# Allegro board MK60_PACK_V30A.brd
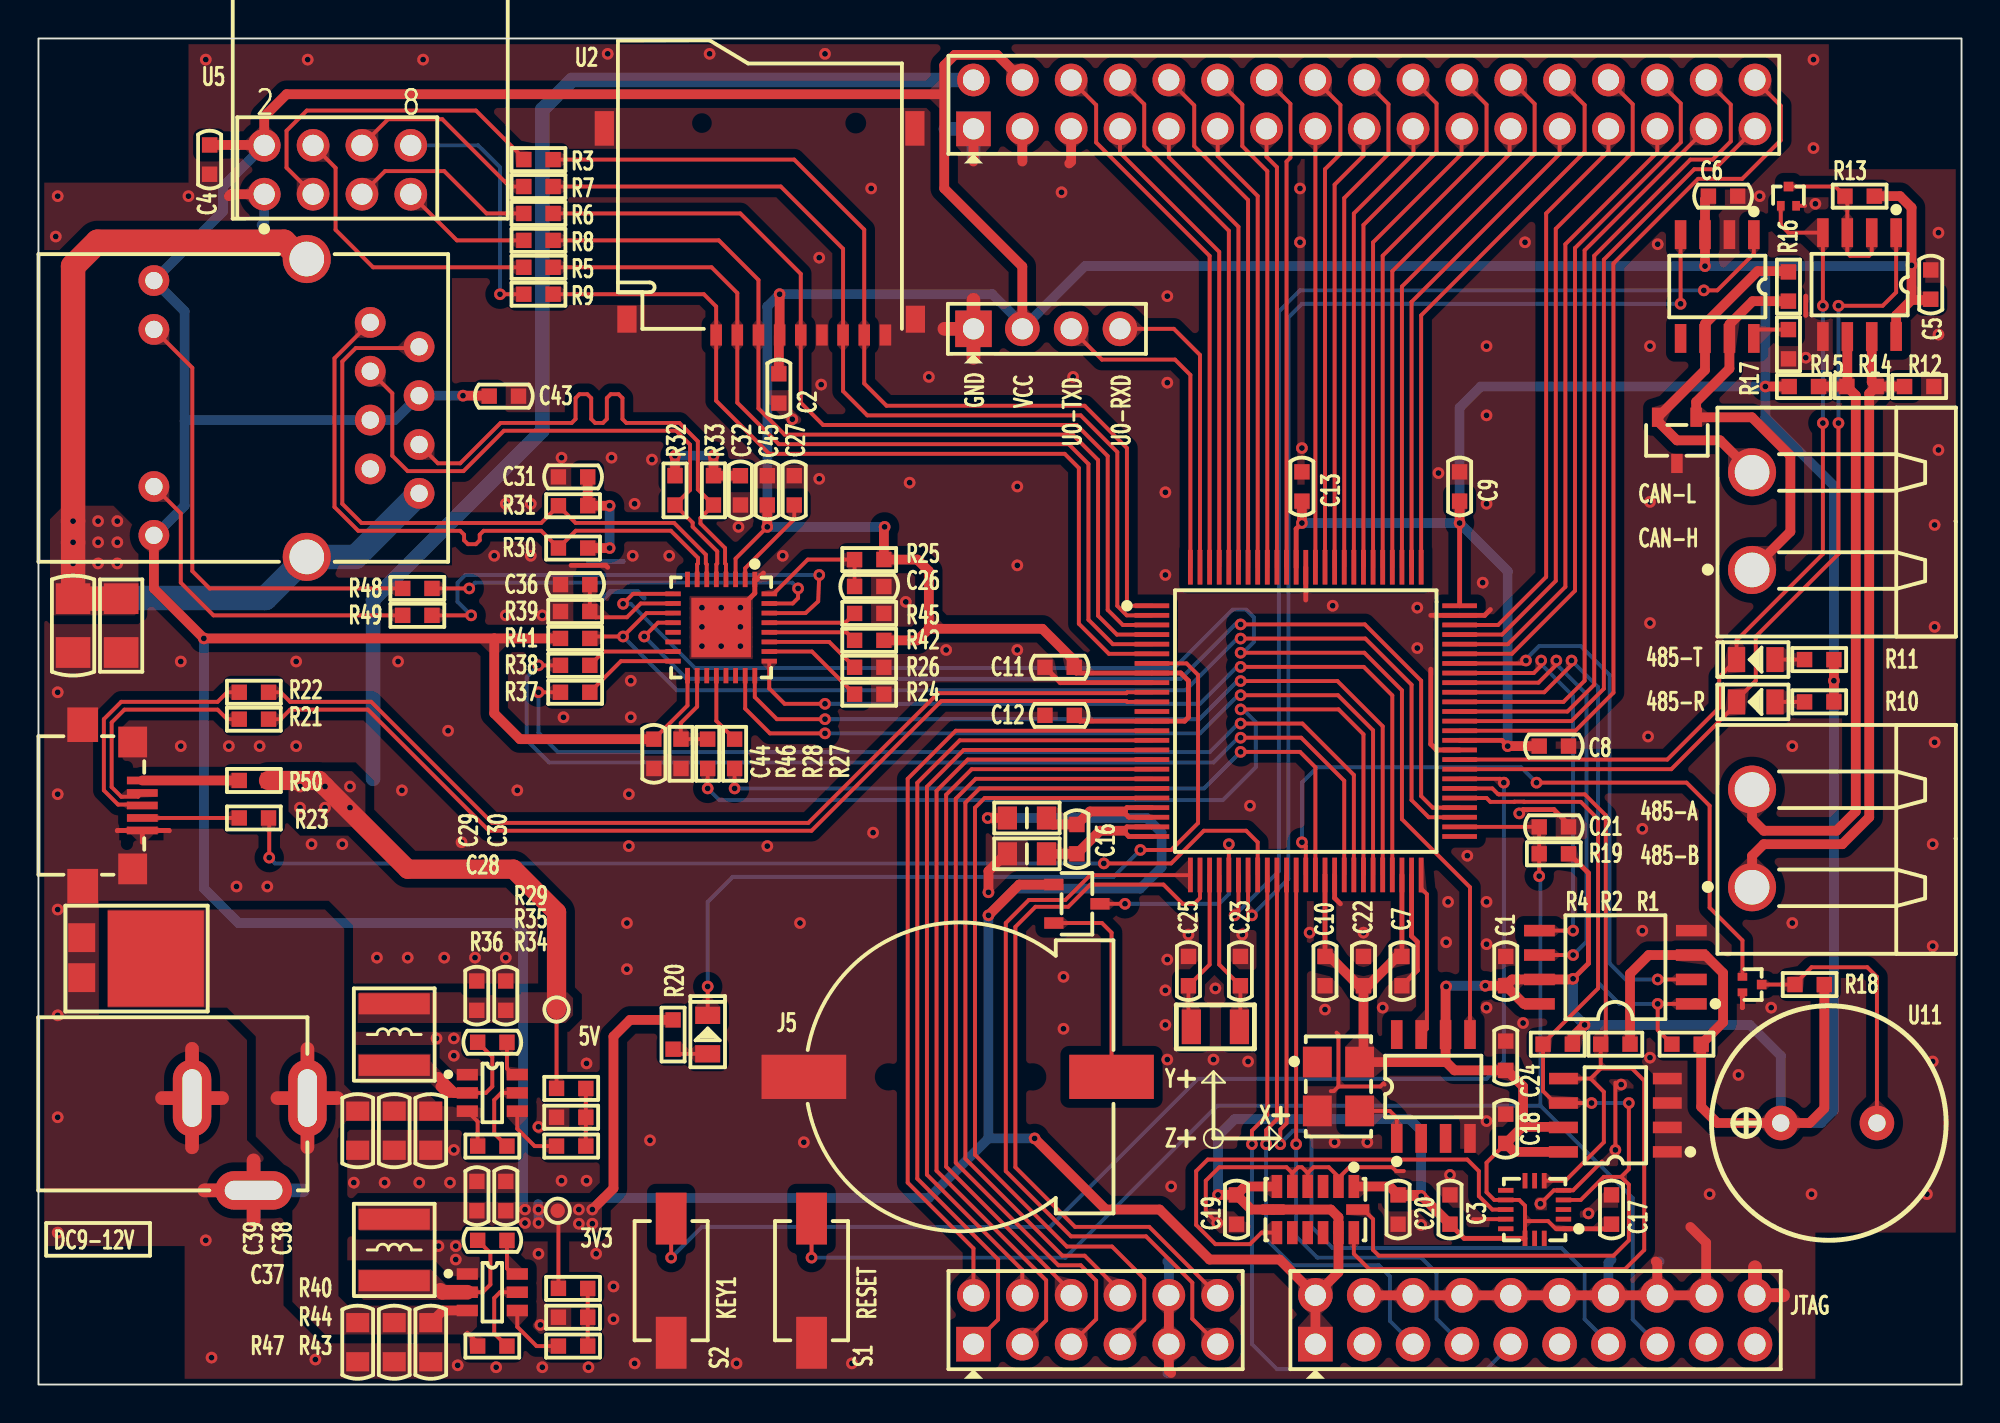
[diagram p0: board, top side]
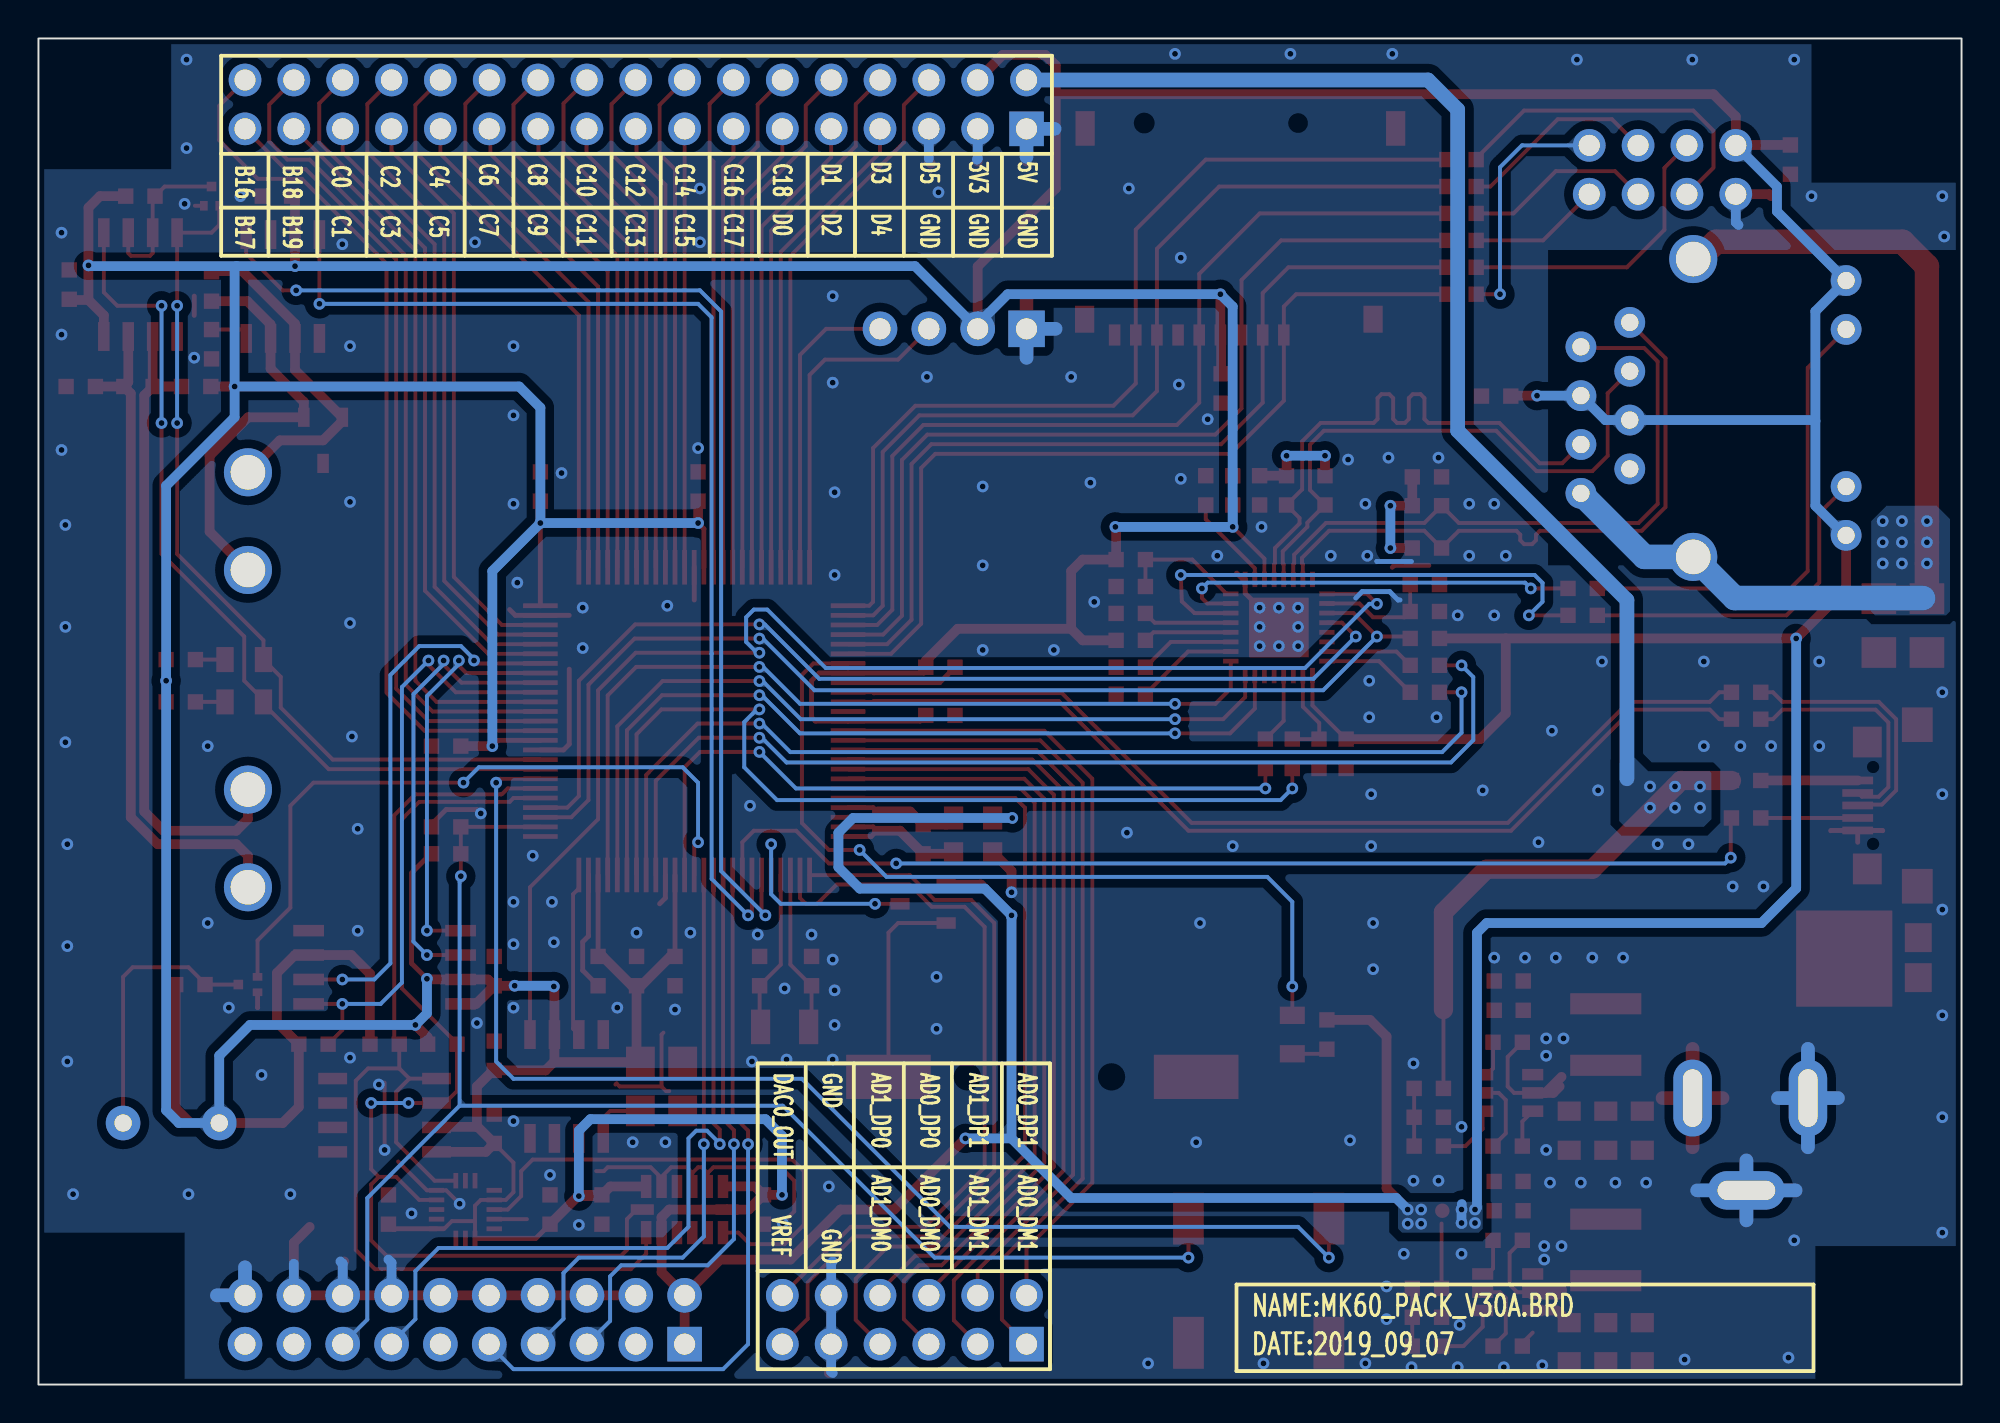
[diagram p1: board, bottom side, seen from below]

Outline 100 x 70 mm; copper layers: TOP, BOTTOM. Coordinates in mm from the lower left corner of the outline.
Outline path: rectangle 0,0 100,70

## Design rules (mm)
constraint set DEFAULT: min track width 0.203, pair gap 0.203
net group D: nets DN DP
net group RX: nets RXN RXP
net group TX: nets TXN TXP
net group USB0_D: nets USB0_DM USB0_DP

## Placement (name value [footprint] x y rotation side)
C1  0.1uF_25V  [C0603]  76.3 21.5 90 top
C2  0.1uF_25V  [C0603]  38.5 51.8 90 top
C3  0.1uF_25V  [C0603]  73.4 9.1 270 top
C4  0.1uF_25V  [C0603]  8.9 63.7 270 top
C5  0.1uF_25V  [C0603]  98.4 57.2 270 top
C6  0.1uF_25V  [C0603]  87.6 61.8 0 top
C7  0.1uF_25V  [C0603]  70.9 21.5 90 top
C8  0.1uF_25V  [C0603]  78.8 33.2 180 top
C9  0.1uF_25V  [C0603]  73.9 46.7 270 top
C10  0.1uF_25V  [C0603]  66.9 21.5 90 top
C11  0.1uF_25V  [C0603]  53.1 37.3 0 top
C12  0.1uF_25V  [C0603]  53.1 34.8 0 top
C13  0.1uF_25V  [C0603]  65.7 46.7 270 top
C16  0.1uF_25V  [C0603]  54 28.36 270 top
C17  0.1uF_25V  [C0603]  81.8 9.1 90 top
C18  0.1uF_25V  [C0603]  76.3 13.3 90 top
C19  0.1uF_25V  [C0603]  62.3 9.1 270 top
C20  0.1uF_25V  [C0603]  70.7 9.1 270 top
C21  0.1uF_25V  [C0603]  78.8 29 0 top
C22  0.1uF_25V  [C0603]  68.9 21.5 270 top
C23  12pF_25V  [C0603]  62.5 21.5 270 top
C24  0.1uF_25V  [C0603]  76.3 17.1 270 top
C25  12pF_25V  [C0603]  59.8 21.5 270 top
C26  0.1uF_25V  [C0603]  43.2 41.5 180 top
C27  0.1uF_25V  [C0603]  39.3 46.5 90 top
C28  0.1uF_25V  [C0603]  23.6 17.8 180 top
C29  10uF_16V  [C0603]  22.79 20.22 90 top
C30  10uF_16V  [C0603]  24.3 20.22 90 top
C31  0.1uF_25V  [C0603]  27.8 47.2 0 top
C32  0.1uF_25V  [C0603]  36.5 46.5 90 top
C33  10uF_25V  [C0805]  20.4 13.2 270 top
C34  10uF_25V  [C0805]  18.5 13.2 270 top
C35  10uF_25V  [C0805]  16.6 13.2 270 top
C36  0.1uF_25V  [C0603]  27.91 41.6 180 top
C37  0.1uF_25V  [C0603]  23.6 7.5 180 top
C38  10uF_16V  [C0603]  24.3 9.8 90 top
C39  10uF_16V  [C0603]  22.8 9.8 90 top
C40  10uF_25V  [C0805]  20.4 2.2 270 top
C41  10uF_25V  [C0805]  18.5 2.2 270 top
C42  10uF_25V  [C0805]  16.6 2.2 270 top
C43  0.1uF_25V  [C0603]  24.2 51.4 0 top
C44  0.1uF_25V  [C0603]  32 32.8 90 top
C45  0.1uF_25V  [C0603]  37.9 46.5 270 top
C46  1nF_2000V  [C1206]  1.8 39.47 90 top
D1  LED_RED  [LED0805]  89.3 35.5 180 top
D2  LED_GREEN  [LED0805]  89.3 37.7 180 top
D3  BAT54C  [SOT23-3]  54 25 270 top
D4  LED_GREEN  [LED0805]  34.8 18.2 90 top
D5  V10P10  [TO-227A]  6.1 22.2 270 top
DC1  -  [DC005]  7.99 14.9 0 top
J1  -  [CN2X6-2P54-Z]  48.62 2.1 0 top
J2  -  [CN2X17-2P54-Z]  48.62 65.3 0 top
J3  -  [WJ2EDGRC-5R08-2P]  89.11 28.4 90 top
J4  -  [WJ2EDGRC-5R08-2P]  89.11 44.9 90 top
J5  CR1220  [CR1220HOLDER-SMD]  47.8 16 90 top
J6  CN1X4-2P54-Z/NI  [CN1X4-2P54-Z]  48.62 54.9 0 top
J7  -  [CN2X10-2P54-Z]  66.4 2.1 0 top
J8  -  [HR911105A]  10.9 50.78 180 top
L1  BLM21PG600  [L0805]  51.4 29.46 0 top
L2  BLM21PG600  [L0805]  51.4 27.6 0 top
L3  SWPA4020S4R7MT  [L4020]  18.5 18.2 90 top
L4  SWPA4020S4R7MT  [L4020]  18.5 7 90 top
NOREF  -  []  0 0 0 top
NOREF#2  -  []  0 0 90 top
Q1  DTC043ZMT2L  [SOT723]  91 61.8 0 top
Q2  DTC043ZMT2L  [SOT723]  89.11 20.8 270 top
R1  10K  [R0603]  85.7 17.7 180 top
R2  4.7K  [R0603]  82 17.7 0 top
R3  0R  [R0603]  26 63.7 0 top
R4  4.7K  [R0603]  79 17.7 0 top
R5  0R  [R0603]  26 58.1 0 top
R6  0R  [R0603]  26 60.9 0 top
R7  0R  [R0603]  26 62.3 0 top
R8  0R  [R0603]  26 59.5 0 top
R9  0R  [R0603]  26 56.7 0 top
R10  10K  [R0603]  92.6 35.5 0 top
R11  10K  [R0603]  92.6 37.7 0 top
R12  10K  [R0603]  97.8 51.9 180 top
R13  10K  [R0603]  94.7 61.8 180 top
R14  120R/NI  [R0603]  94.8 51.9 0 top
R15  10K  [R0603]  91.8 51.9 180 top
R16  120R  [R0603]  91 57.1 270 top
R17  10K  [R0603]  91 54.1 90 top
R18  1K  [R0603]  92.1 20.8 180 top
R19  10K  [R0603]  78.8 27.6 0 top
R20  10K  [R0603]  33 18.2 90 top
R21  10R  [R0603]  11.2 34.6 0 top
R22  10R  [R0603]  11.2 36 0 top
R23  10R  [R0603]  11.2 29.46 0 top
R24  4.7K  [R0603]  43.2 35.9 180 top
R25  10K  [R0603]  43.2 42.9 180 top
R26  4.7K  [R0603]  43.2 37.3 180 top
R27  10R  [R0603]  36.2 32.8 90 top
R28  10R  [R0603]  34.8 32.8 90 top
R29  40.2K  [R0603]  27.7 15.4 0 top
R30  49.9R  [R0603]  27.8 43.5 0 top
R31  49.9R  [R0603]  27.8 45.7 0 top
R32  49.9R  [R0603]  33.1 46.5 90 top
R33  49.9R  [R0603]  35.1 46.5 90 top
R34  10K  [R0603]  27.7 12.4 0 top
R35  7.68K  [R0603]  27.7 13.9 180 top
R36  100K  [R0603]  23.6 12.4 0 top
R37  10R  [R0603]  27.91 36 0 top
R38  10R  [R0603]  27.91 37.4 0 top
R39  6.49K  [R0603]  27.91 40.2 180 top
R40  40.2K  [R0603]  27.8 5 0 top
R41  4.7K  [R0603]  27.91 38.8 0 top
R42  4.7K  [R0603]  43.2 38.7 0 top
R43  10K  [R0603]  27.8 2 0 top
R44  13K  [R0603]  27.8 3.5 180 top
R45  4.7K  [R0603]  43.2 40.1 0 top
R46  4.7K  [R0603]  33.41 32.8 270 top
R47  100K  [R0603]  23.6 2 0 top
R48  510R  [R0603]  19.7 41.4 180 top
R49  510R  [R0603]  19.7 40 180 top
R50  0R/NI  [R0603]  11.2 31.41 0 top
R51  10M  [R1206]  4.3 39.47 270 top
S1  KEY  [KEY-2P-SMD-6R2X3R8X2R5]  40.2 5.4 270 top
S2  KEY  [KEY-2P-SMD-6R2X3R8X2R5]  32.9 5.4 90 top
TP1  TestPoint/NI  [TP-0R75]  26.94 19.5 0 top
TP2  TestPoint/NI  [TP-0R75]  27 9.04 0 top
U1  MK60DN512VLL10  [LQFP100-14X14X0R5]  65.9 34.5 270 top
U2  THD2528-11SD-GF  [TFCARD]  37.5 54.9 180 top
U3  W25Q16JVSNIQ  [SOIC8_208]  82 21.7 90 top
U4  AT24C02D-SSHM-T  [SOIC8]  82 14 90 top
U5  -  [NRF24L01PACK]  17.2 73 0 top
U6  SP3485EN-L/TR  [SOIC8]  94.7 57.2 180 top
U7  SN65HVD230DR  [SOIC8]  87.3 57.1 180 top
U8  PESD1CAN  [SOT23-3]  85.2 49.1 180 top
U9  ADXL345BCCZ-RL7  [LGA14-5R0X3R0]  66.4 9.1 270 top
U10  LIS3DHTR  [LGA16-3R0X3R0]  77.8 9.1 90 top
U11  -  [PS1240P02BT]  93.1 13.6 0 top
U12  CY2305SXI-1HT  [SOIC8]  72.53 15.5 0 top
U13  KSZ8041NLI  [QFN32-5X5X0R5-3R1X3R1]  35.5 39.37 180 top
U14  BL8032CB6TR  [SOT23-6]  23.6 15.17 270 top
U15  BL8032CB6TR  [SOT23-6]  23.6 4.8 270 top
USB1  U-F-M5SS-W-1  [USB-U-F-M5SS-W-1]  2.3 30.11 270 top
X1  Q13FC1350000400  [X-2P-3R2X1R5-SMD]  61.2 18.6 180 top
X2  SG5032CAN-50M-TJGA  [X-4P-5R0X3R2-SMD]  67.6 15.5 270 top

## Library data of the parts
C1 C3 C7-C13 C16 C22 C24 = CAP NP_3
C2 C4 C21 C26 C27 C31 C32 C36 C43-C46 = CAP NP_2
C5 C6 C17-C20 C23 C25 C28-C30 C33-C35 C37-C42 = CAP NP
D1 D2 D4 = LED_4
D3 = BAT54C
D5 = DIODE13_6
DC1 = DC005
J1 = CONN RCPT 6X2
J2 = CONN RECT 17x2
J3 J4 = CONN RCPT 2
J5 = BATTERY
J6 = CONN RCPT 4
J7 = CON20_0
J8 = CON_RJ45_1X8_F_RA_0
L1 L2 = IND_BEAD_0805_600OHM_1
L3 L4 = INDUCTOR_0
Q1 Q2 = DTC043ZMT2L
R1-R51 = R_Generic
S1 S2 = SW PUSHBUTTON_0
TP1 TP2 = TestPoint
U1 = MK60DN512VLL10_6
U2 = TFCARD_1
U3 = CEIT_C5000_0
U4 = MB85RC64PNF-G-JNERE1
U5 = NRF24L01PACK
U6 = MAX3485ESA
U7 = TJA1050
U8 = PESD1CAN
U9 = ADXL345_0
U10 = LIS3DHTR
U11 = PS1240P02BT
U12 = CY2305C_0
U13 = KSZ8041NL
U14 U15 = BL8032CB6TR
USB1 = USB-MICRO
X1 = XTAL_5032_0
X2 = SMD_OSC_3

## Footprints (pads in the part's own frame, mm; a bottom-side part is the same pattern mirrored in y, then rotated)
C0603
  rect 0.8x0.8 smd: 1(-0.762,0) 2(0.762,0)
C0805
  rect 1x1.2 smd: 1(-1.016,0) 2(1.016,0)
C1206
  rect 1.6x1.8 smd: 1(-1.4,0) 2(1.4,0)
CN1X4-2P54-Z
  rect 1.9x1.9 hole 1.1: 1(0,0)
  round 1.8 hole 1.1: 2(2.54,0) 3(5.08,0) 4(7.62,0)
CN2X6-2P54-Z
  rect 1.8x1.8 hole 1.1: 1(0,0)
  round 1.7 hole 1.1: 2(0,2.54) 3(2.54,0) 4(2.54,2.54) 5(5.08,0) 6(5.08,2.54) 7(7.62,0) 8(7.62,2.54) 9(10.16,0) 10(10.16,2.54) 11(12.7,0) 12(12.7,2.54)
CN2X10-2P54-Z
  rect 1.8x1.8 hole 1.1: 1(0,0)
  round 1.8 hole 1.1: 2(0,2.54) 3(2.54,0) 4(2.54,2.54) 5(5.08,0) 6(5.08,2.54) 7(7.62,0) 8(7.62,2.54) 9(10.16,0) 10(10.16,2.54) 11(12.7,0) 12(12.7,2.54) 13(15.24,0) 14(15.24,2.54) 15(17.78,0) 16(17.78,2.54) 17(20.32,0) 18(20.32,2.54) 19(22.86,0) 20(22.86,2.54)
CN2X17-2P54-Z
  rect 1.8x1.8 hole 1.1: 1(0,0)
  round 1.7 hole 1.1: 2(0,2.54) 3(2.54,0) 4(2.54,2.54) 5(5.08,0) 6(5.08,2.54) 7(7.62,0) 8(7.62,2.54) 9(10.16,0) 10(10.16,2.54) 11(12.7,0) 12(12.7,2.54) 13(15.24,0) 14(15.24,2.54) 15(17.78,0) 16(17.78,2.54) 17(20.32,0) 18(20.32,2.54) 19(22.86,0) 20(22.86,2.54) 21(25.4,0) 22(25.4,2.54) 23(27.94,0) 24(27.94,2.54) 25(30.48,0) 26(30.48,2.54) 27(33.02,0) 28(33.02,2.54) 29(35.56,0) 30(35.56,2.54) 31(38.1,0) 32(38.1,2.54) 33(40.64,0) 34(40.64,2.54)
CR1220HOLDER-SMD
  rect 2.3x4.4 smd: 1(0,-8) 2(0,8)
DC005
  oval 2x4 hole 1x3: 1(6,0) 2(0,0)
  oval 4x2 hole 3x1: 3(3.2,-4.8)
HR911105A
  round 1.6 hole 0.9: 1(-6.35,-4.45) 2(-8.89,-3.18) 3(-6.35,-1.91) 4(-8.89,-0.64) 5(-6.35,0.63) 6(-8.89,1.9) 7(-6.35,3.17) 8(-8.89,4.44) 9(4.9,-6.625) 10(4.9,-4.085) 11(4.9,4.085) 12(4.9,6.625)
  round 2.5 hole 1.8: 13(-3.05,-7.745) 14(-3.05,7.745)
KEY-2P-SMD-6R2X3R8X2R5
  rect 2.7x1.6 smd: 1(-3.23,0) 2(3.23,0)
L0805
  rect 1x1.2 smd: 1(-1.016,0) 2(1.016,0)
L4020
  rect 1.1x3.7 smd: 1(-1.6,0) 2(1.6,0)
LED0805
  rect 0.9x1.3 smd: 1(-1,0) 2(1,0)
LGA14-5R0X3R0
  rect 1.2x0.55 smd: 1(-1.2,2) 2(-1.2,1.2) 3(-1.2,0.4) 4(-1.2,-0.4) 5(-1.2,-1.2) 6(-1.2,-2) 8(1.2,-2) 9(1.2,-1.2) 10(1.2,-0.4) 11(1.2,0.4) 12(1.2,1.2) 13(1.2,2)
  rect 0.55x1.2 smd: 7(0,-2.2) 14(0,2.2)
LGA16-3R0X3R0
  rect 0.25x0.8 smd: 1(-1,-1.5) 2(-0.5,-1.5) 3(0,-1.5) 4(0.5,-1.5) 5(1,-1.5) 9(1,1.5) 10(0.5,1.5) 11(0,1.5) 12(-0.5,1.5) 13(-1,1.5)
  rect 0.8x0.25 smd: 6(1.5,-0.5) 7(1.5,0) 8(1.5,0.5) 14(-1.5,0.5) 15(-1.5,0) 16(-1.5,-0.5)
LQFP100-14X14X0R5
  rect 0.25x1.8 smd: 1(-6,-8) 2(-5.5,-8) 3(-5,-8) 4(-4.5,-8) 5(-4,-8) 6(-3.5,-8) 7(-3,-8) 8(-2.5,-8) 9(-2,-8) 10(-1.5,-8) 11(-1,-8) 12(-0.5,-8) 13(0,-8) 14(0.5,-8) 15(1,-8) 16(1.5,-8) 17(2,-8) 18(2.5,-8) 19(3,-8) 20(3.5,-8) 21(4,-8) 22(4.5,-8) 23(5,-8) 24(5.5,-8) 25(6,-8) 51(6,8) 52(5.5,8) 53(5,8) 54(4.5,8) 55(4,8) 56(3.5,8) 57(3,8) 58(2.5,8) 59(2,8) 60(1.5,8) 61(1,8) 62(0.5,8) 63(0,8) 64(-0.5,8) 65(-1,8) 66(-1.5,8) 67(-2,8) 68(-2.5,8) 69(-3,8) 70(-3.5,8) 71(-4,8) 72(-4.5,8) 73(-5,8) 74(-5.5,8) 75(-6,8)
  rect 1.8x0.25 smd: 26(8,-6) 27(8,-5.5) 28(8,-5) 29(8,-4.5) 30(8,-4) 31(8,-3.5) 32(8,-3) 33(8,-2.5) 34(8,-2) 35(8,-1.5) 36(8,-1) 37(8,-0.5) 38(8,0) 39(8,0.5) 40(8,1) 41(8,1.5) 42(8,2) 43(8,2.5) 44(8,3) 45(8,3.5) 46(8,4) 47(8,4.5) 48(8,5) 49(8,5.5) 50(8,6) 76(-8,6) 77(-8,5.5) 78(-8,5) 79(-8,4.5) 80(-8,4) 81(-8,3.5) 82(-8,3) 83(-8,2.5) 84(-8,2) 85(-8,1.5) 86(-8,1) 87(-8,0.5) 88(-8,0) 89(-8,-0.5) 90(-8,-1) 91(-8,-1.5) 92(-8,-2) 93(-8,-2.5) 94(-8,-3) 95(-8,-3.5) 96(-8,-4) 97(-8,-4.5) 98(-8,-5) 99(-8,-5.5) 100(-8,-6)
NRF24L01PACK
  round 1.7 hole 1.1: 1(-5.46,-11.1) 2(-5.46,-8.56) 3(-2.92,-11.1) 4(-2.92,-8.56) 5(-0.38,-11.1) 6(-0.38,-8.56) 7(2.16,-11.1) 8(2.16,-8.56)
PS1240P02BT
  round 1.8 hole 0.9: 1(-2.5,0) 2(2.5,0)
QFN32-5X5X0R5-3R1X3R1
  rect 0.25x0.8 smd: 1(-1.75,-2.5) 2(-1.25,-2.5) 3(-0.75,-2.5) 4(-0.25,-2.5) 5(0.25,-2.5) 6(0.75,-2.5) 7(1.25,-2.5) 8(1.75,-2.5) 17(1.75,2.5) 18(1.25,2.5) 19(0.75,2.5) 20(0.25,2.5) 21(-0.25,2.5) 22(-0.75,2.5) 23(-1.25,2.5) 24(-1.75,2.5)
  rect 0.8x0.25 smd: 9(2.5,-1.75) 10(2.5,-1.25) 11(2.5,-0.75) 12(2.5,-0.25) 13(2.5,0.25) 14(2.5,0.75) 15(2.5,1.25) 16(2.5,1.75) 25(-2.5,1.75) 26(-2.5,1.25) 27(-2.5,0.75) 28(-2.5,0.25) 29(-2.5,-0.25) 30(-2.5,-0.75) 31(-2.5,-1.25) 32(-2.5,-1.75)
  rect 3.1x3.1 smd: 33(0,0)
R0603
  rect 0.8x0.8 smd: 1(-0.762,0) 2(0.762,0)
R1206
  rect 1.6x1.8 smd: 1(-1.4,0) 2(1.4,0)
SOIC8
  rect 0.6x1.5 smd: 1(-1.9,-2.7) 2(-0.63,-2.7) 3(0.64,-2.7) 4(1.91,-2.7) 5(1.91,2.7) 6(0.64,2.7) 7(-0.63,2.7) 8(-1.9,2.7)
SOIC8_208
  rect 0.6x1.6 smd: 1(-1.905,-3.95) 2(-0.635,-3.95) 3(0.635,-3.95) 4(1.905,-3.95) 5(1.905,3.95) 6(0.635,3.95) 7(-0.635,3.95) 8(-1.905,3.95)
SOT23-3
  rect 0.6x1 smd: 1(-1,-1.2) 2(1,-1.2) 3(0,1.2)
SOT23-6
  rect 0.6x1.1 smd: 1(-0.95,-1.3) 2(0,-1.3) 3(0.95,-1.3) 4(0.95,1.3) 5(0,1.3) 6(-0.95,1.3)
SOT723
  rect 0.4x0.5 smd: 1(-0.4,-0.5) 2(0.4,-0.5)
  rect 0.5x0.5 smd: 3(0,0.5)
TFCARD
  rect 0.6x1.1 smd: 1(2.26,0.32) 2(1.16,0.32) 3(0.06,0.32) 4(-1.04,0.32) 5(-2.14,0.32) 6(-3.24,0.32) 7(-4.34,0.32) 8(-5.44,0.32) 9(-6.54,0.32)
  rect 1x1.4 smd: 10(-8.1,-0.5) 13(6.9,-0.5)
  rect 1x1.8 smd: 11(-8.074,-10.422) 12(8.074,-10.422)
TO-227A
  rect 1.5x1.4 smd: 1(1.04,-3.85) 2(-1.04,-3.85)
  rect 5x5 smd: 3(0.05,0)
TP-0R75
  round 0.75 smd: 1(0,0)
USB-U-F-M5SS-W-1
  rect 0.4x1.6 smd: 1(-1.3,3.1) 2(-0.65,3.1) 3(0,3.1) 4(0.65,3.1) 5(1.3,3.1)
  rect 1.6x1.5 smd: 6(-3.3,2.6) 7(3.3,2.6)
  rect 1.8x1.6 smd: 8(-4.2,0) 9(4.2,0)
WJ2EDGRC-5R08-2P
  round 2.5 hole 1.8: 1(-2.54,0) 2(2.54,0)
X-2P-3R2X1R5-SMD
  rect 1x1.8 smd: 1(-1.25,0) 2(1.25,0)
X-4P-5R0X3R2-SMD
  rect 1.6x1.5 smd: 1(-1.27,-1.1) 2(1.27,-1.1) 3(1.27,1.1) 4(-1.27,1.1)

## Nets
GND: C1.2 C2.1 C3.1 C4.2 C5.1 C6.2 C7.1 C8.1 C9.1 C10.1 C11.1 C12.1 C13.1 C17.2 C18.2 C19.2 C20.2 C21.2 C22.1 C23.1 C24.1 C25.1 C26.1 C27.2 C29.2 C30.2 C31.1 C32.1 C33.2 C34.2 C35.2 C36.2 C38.2 C39.2 C40.2 C41.2 C42.2 C43.2 C44.1 C45.1 C46.1 D5.1 D5.2 DC1.2 DC1.3 J1.9 J1.10 J2.1 J2.3 J2.5 J5.2 J6.1 J7.4 J7.6 J7.8 J7.10 J7.12 J7.14 J7.16 J7.18 J7.20 L2.1 Q1.2 Q2.2 R12.1 R17.1 R24.1 R26.1 R35.2 R39.2 R44.2 R45.2 R46.2 R51.2 S1.2 S2.1 U1.9 U1.41 U1.49 U1.60 U1.74 U1.88 U2.6 U2.9 U2.10 U2.11 U2.12 U2.13 U3.4 U4.1 U4.2 U4.3 U4.4 U5.1 U6.5 U7.2 U8.3 U9.2 U9.4 U9.5 U10.5 U10.12 U12.4 U13.1 U13.33 U14.1 U15.1 USB1.5 USB1.6 USB1.7 USB1.8 USB1.9 X2.2
GND_EARTH: C46.2 J8.8 J8.13 J8.14 R51.1
VBAT: D3.3 U1.30
VCC_3.3V: C1.1 C2.2 C3.2 C4.1 C5.2 C6.1 C7.2 C8.2 C9.2 C10.2 C11.2 C12.2 C13.2 C17.1 C18.1 C19.1 C20.1 C22.2 C24.2 C38.1 C39.1 C43.1 C44.2 C45.2 D3.1 J2.4 J6.2 J7.1 J7.2 J8.4 J8.5 J8.9 J8.12 L1.1 L4.2 R1.1 R2.2 R4.2 R10.2 R11.2 R13.1 R15.2 R18.1 R19.2 R20.2 R25.1 R40.1 R41.1 R42.2 TP2.1 U1.8 U1.13 U1.40 U1.48 U1.61 U1.75 U1.89 U2.4(VCC) U3.3(W\P\) U3.7 U3.8 U4.7(WP) U4.8 U5.2(VCC) U6.8(VCC) U7.3 U9.1 U9.6(VSS) U9.7 U9.12 U10.1(VDD_IO) U10.10 U10.14 U11.1 U12.6(VDD) U13.3 U13.17 X2.4(VCC)
VCC_5V: C29.1 C30.1 J2.2 L3.2 R29.1 R50.2 TP1.1
VCC_12V: C33.1 C34.1 C35.1 C40.1 C41.1 C42.1 D5.3(CATHODE) DC1.1 R36.1 R47.1 U14.3(VIN) U15.3(VIN)
VDDA3V3: C16.1 L1.2(B) U1.22 U1.23
VSSA: C16.2 L2.2(B) U1.24 U1.25
485_R: D1.2(CATHODE) U1.58 U6.1
485_T: D2.2(CATHODE) Q1.1 U1.59 U6.4
AD0_DM1: J1.1 U1.15
AD0_DP1: J1.2 U1.14
AD1_DM1: J1.3 U1.17
AD1_DP1: J1.4 U1.16
ADC0_DM0: J1.5 U1.19
ADC0_DP0: J1.6(9) U1.18
ADC1_DM0: J1.7 U1.21
ADC1_DP0: J1.8 U1.20
ADXL_INT: U9.8 U10.11
BUZZER: Q2.1 U1.38
CAN1_RX: U1.32 U7.4
CAN1_TX: U1.31 U7.1
CAN_H: J4.1 R16.2 U7.7 U8.1
CAN_L: J4.2 R16.1 U7.6 U8.2
CE: R3.1 U5.3
CLK_50M_MK60: U1.50 U12.7
CONFIG0: R42.1 U13.28
CONFIG1: R45.1 U13.29
CONFIG2: R28.2 R46.1 U13.18
DAC0_OUT: J1.12 U1.27
DN: R21.1 USB1.2
DP: R22.1 USB1.3
EXTAL32: C23.2 U1.29 X1.1
I2C_SCL: R4.1 U1.55 U4.6 U9.14 U10.4
I2C_SDA: R2.1 U1.56 U4.5 U9.13 U10.6
JTAG_TCLK: J7.9 U1.34
JTAG_TDI: J7.5 U1.35
JTAG_TDO: J7.13 U1.36
JTAG_TMS: J7.7 U1.37
KEY1: S2.2 U1.57
LED0/NWAYEN: R49.1 U13.30
LED1: D4.2(CATHODE) U1.7
LED1/SPEED: R48.1 U13.31
NRF_IRQ: R9.1 U5.8
PHY_CLK: U12.5 U13.9
PTB16: J2.34 U1.62
PTB17: J2.33 U1.63
PTB18: J2.32 U1.64
PTB19: J2.31 U1.65
PTC0: J2.30 U1.70
PTC1: J2.29 U1.71
PTC2: J2.28 U1.72
PTC3: J2.27 U1.73
PTC4: J2.26 U1.76
PTC5: J2.25 U1.77
PTC6: J2.24 U1.78
PTC7: J2.23 U1.79
PTC8: J2.22 U1.80
PTC9: J2.21 U1.81
PTC10: J2.20 U1.82
PTC11: J2.19 U1.83
PTC12: J2.18 U1.84
PTC13: J2.17 U1.85
PTC14: J2.16 U1.86
PTC15: J2.15 U1.87
PTC16: J2.14 U1.90
PTC17: J2.13 U1.91
PTC18: J2.12 U1.92
PTD0: J2.11 U1.93
PTD1: J2.10 U1.94
PTD2: J2.9 U1.95
PTD3: J2.8 U1.96
PTD4: J2.7 U1.97
PTD5: J2.6 U1.98
RMII0_CRS_DV: R28.1 U1.44
RMII0_MDC: U1.54 U13.12
RMII0_MDIO: R41.2 U1.53 U13.11
RMII0_RXD0: R37.1 U1.43
RMII0_RXD1: R38.1 U1.42
RMII0_RXER: R27.1 U1.39
RMII0_TXD0: U1.46 U13.24
RMII0_TXD1: U1.47 U13.25
RMII0_TXEN: U1.45 U13.23
RS485_A: J3.2 R14.1 R15.1 U6.6
RS485_B: J3.1 R12.2 R14.2 U6.7
RXN: J8.6 R33.1 U13.4
RXP: J8.3 R32.1 U13.5
SDHC0_CMD: R8.2 U1.4 U2.3
SDHC0_D0: R7.2 U1.2 U2.7
SDHC0_D1: R3.2 U1.1 U2.8
SDHC0_D2: R9.2 U1.6 U2.1
SDHC0_D3: R5.2 U1.5 U2.2
SDHC0_DCLK: R6.2 U1.3 U2.5
SPI1_PCS0: R5.1 U5.4
SPI1_SCK: R6.1 U5.5
SPI1_SIN: R8.1 U5.7
SPI1_SOUT: R7.1 U5.6
SPI2_PCS0: R1.2 U1.66 U3.1
SPI2_SCK: U1.67 U3.6
SPI2_SIN: U1.69 U3.2
SPI2_SOUT: U1.68 U3.5
SYS_RESET#: C21.1 J7.15 R19.1 S1.1 U1.52
TXN: J8.2 R31.1 U13.6
TXP: J8.1(TXP1) R30.1 U13.7
UART0_RX: J6.4 U1.99
UART0_TX: J6.3 U1.100
USB0_DM: R21.2 U1.11
USB0_DP: R22.2 U1.10
USB_ID: R23.2 U1.33
VREF: J1.11 U1.26
XTAL32: C25.2 U1.28(XTAL32) X1.2
N17225628: C28.2 L3.1 U14.2
N17225658: C28.1 U14.6
N17225744: R36.2 U14.5
N17225756: R29.2 R34.2 R35.1
N17225768: R34.1 U14.4
N17241625: D3.2 J5.1
N17245995: Q2.3 R18.2 U11.2
N17248567: Q1.3 R13.2 U6.2 U6.3
N17249009: R17.2 U7.8
N17252037: R50.1 USB1.1(VBUS)
N17252045: R23.1 USB1.4
N17262562: R26.2 U13.27
N17262575: C26.2 R25.2 U13.32
N17262605: R24.2 U13.26
N17262748: C27.1 U13.2
N17262808: R27.2 U13.20
N17262939: C31.2 R30.2 R31.2
N17262943: C32.2 R32.2 R33.2
N17263025: C36.1 R39.1 U13.10
N17263031: R38.2 U13.15
N17263033: R37.2 U13.16
N17263728: J8.10 R48.2
N17265751: J8.11 R49.2
N17266991: C37.2 L4.1 U15.2
N17267021: C37.1 U15.6
N17267107: R47.2 U15.5
N17267119: R40.2 R43.2 R44.1
N17267139: R43.1 U15.4
N17267884: U12.1 X2.3
N172506400: D2.1 R11.1
N172506560: D1.1 R10.1
N172548550: D4.1 R20.1

Pads without a net: J7 3 11 17 19; J8 7; U1 12 51; U7 5; U9 3 9 10 11; U10 2 3 7 8 9 13 15 16; U12 2 3 8; U13 8 13 14 19 21 22; X2 1

## Via types
v1: diameter 0.61, hole 0.305, TOP to BOTTOM, 301 vias
